# Altium PCB FMC_ADC_250M_16B_4ch.PcbDoc (part 7 of 8) (continued)
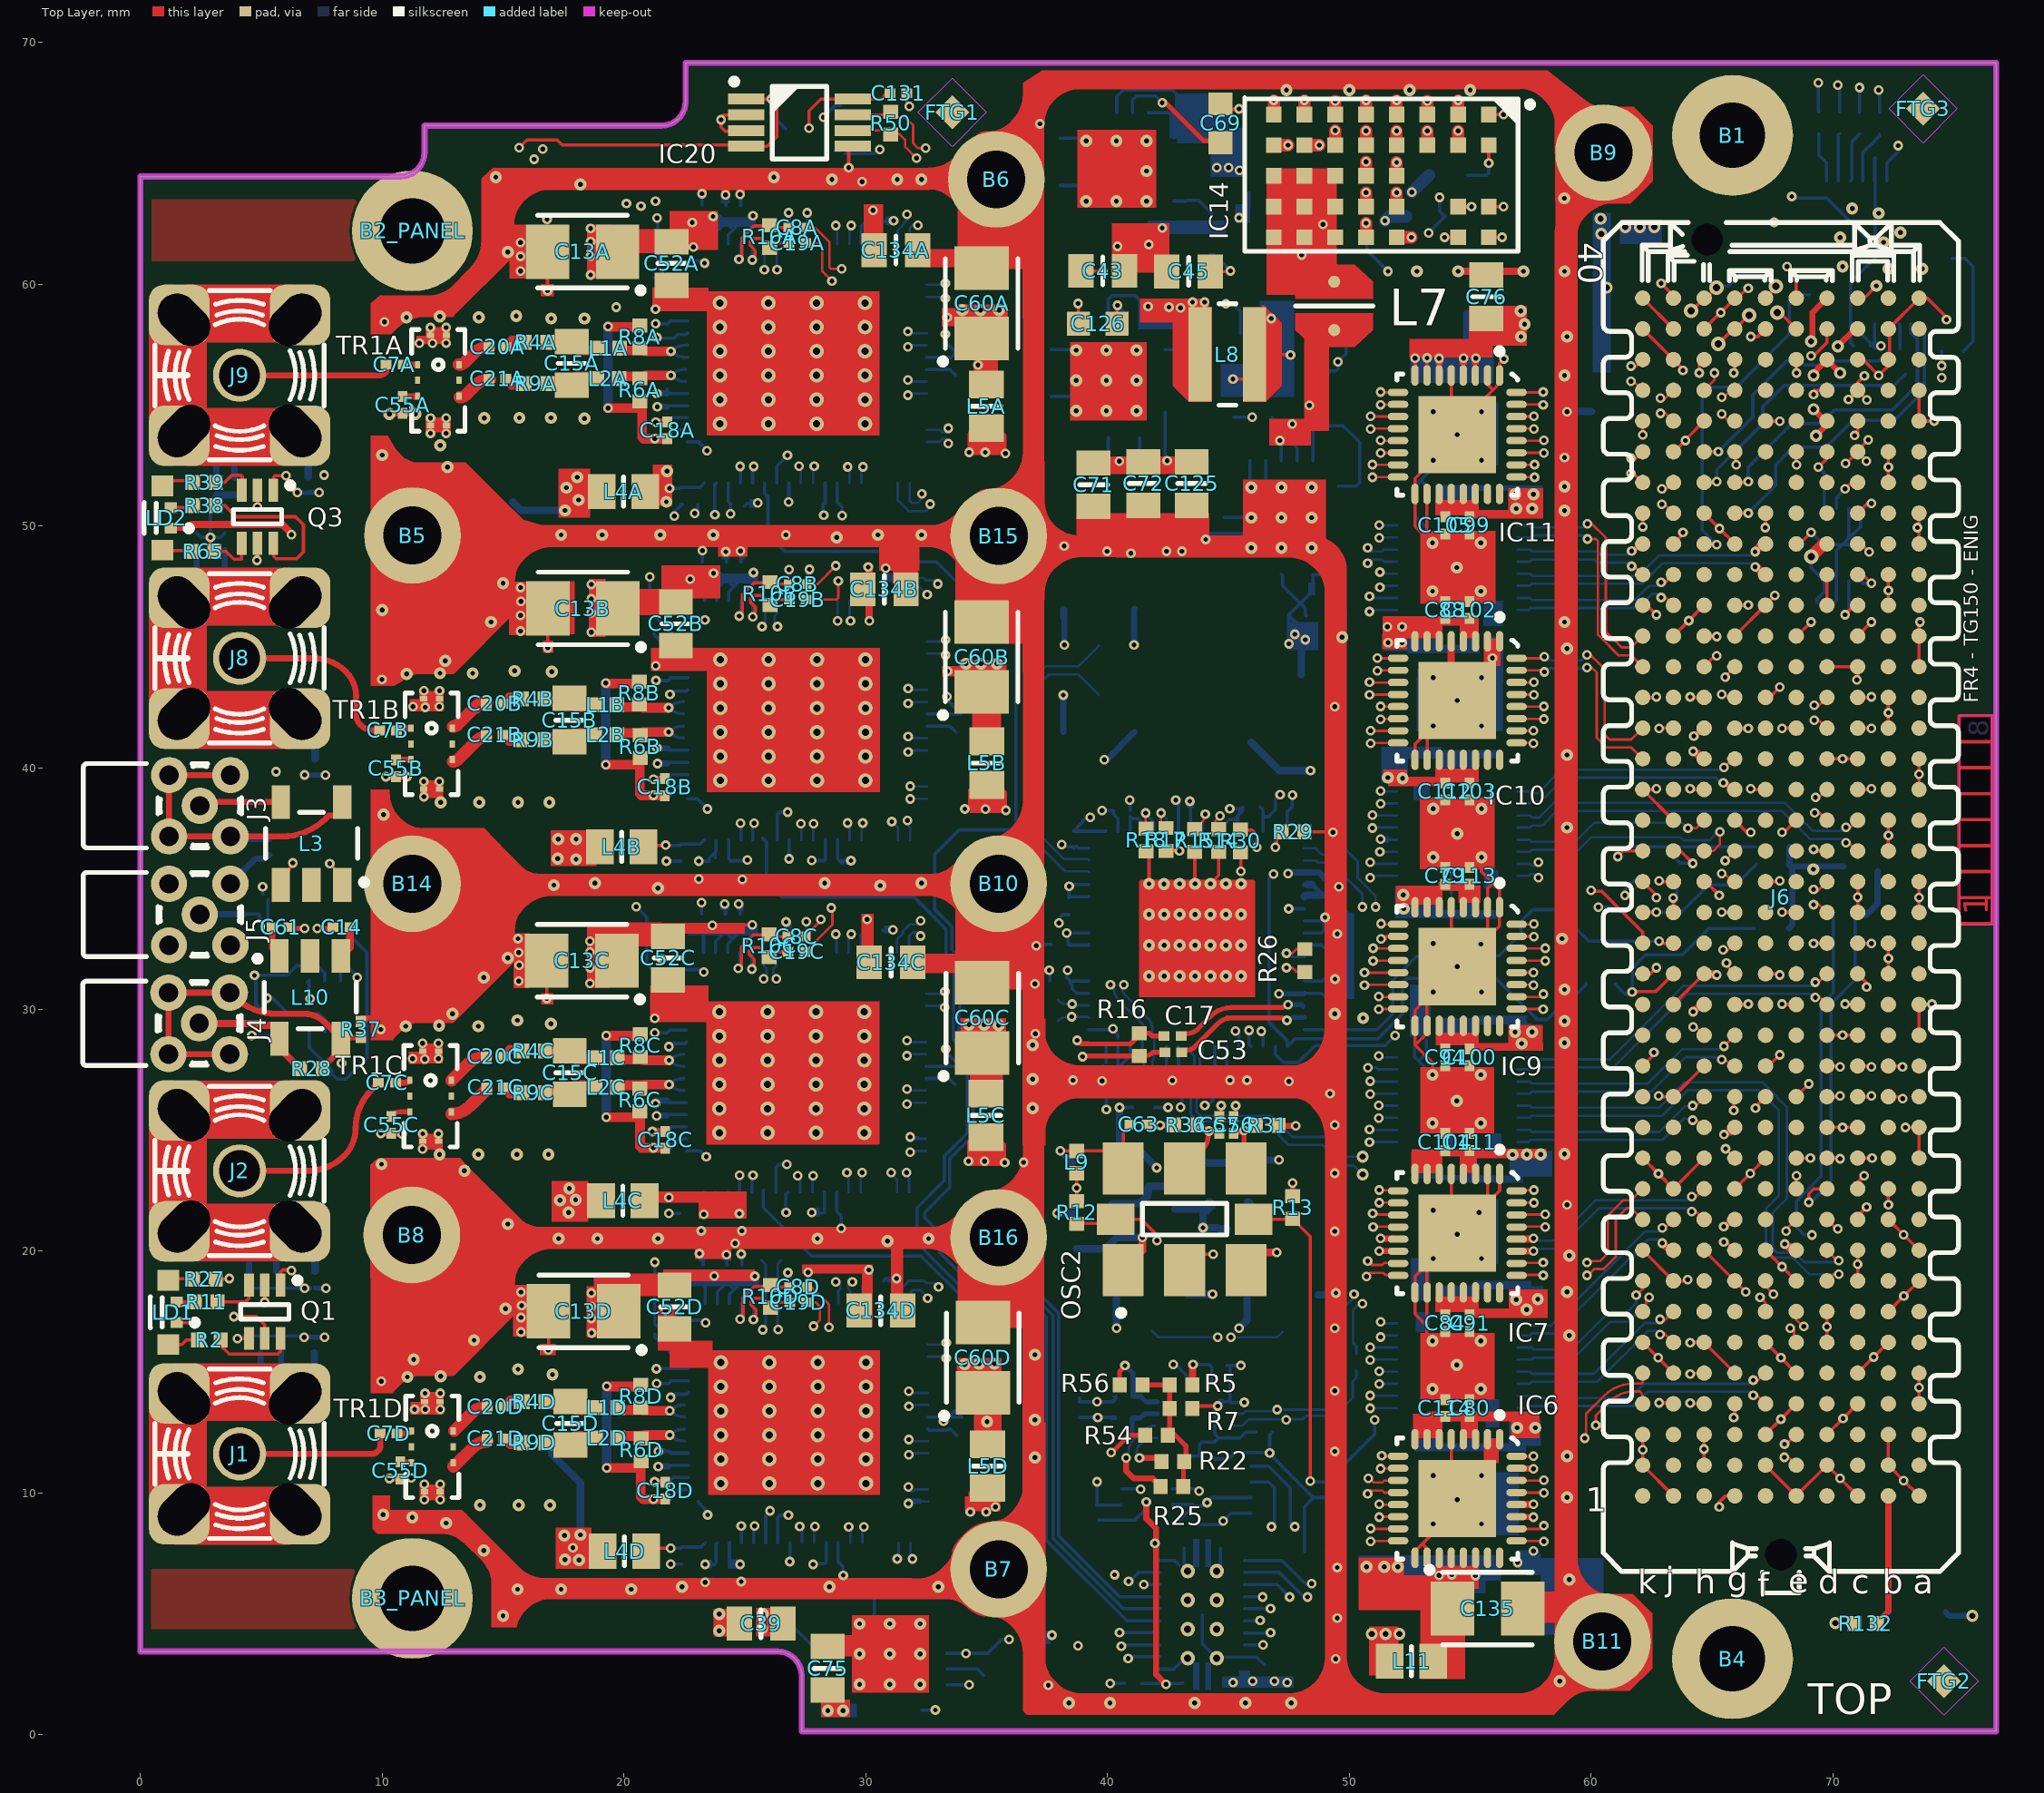
[diagram p0: Top Layer view]
## Other copper (continued)
  rectangle net P3V3_BUF: 53.685,34.89 54.828,35.271
  rectangle net P3V3_BUF: 53.583,28.515 55.361,29.048
  rectangle net P3V3_BUF: 54.802,28.286 58.028,28.616
  rectangle net P3V3_BUF: 56.58,28.591 58.003,29.353
  rectangle net P3V3_BUF: 52.593,23.917 55.082,24.222
  rectangle net P3V3_BUF: 55.133,23.841 58.155,24.248
  rectangle net P3V3_BUF: 55.082,17.237 58.206,17.644
  rectangle net P3V3_BUF: 56.606,17.542 58.206,18.431
  rectangle net P3V3_BUF: 53.583,6.29 55.361,7.001
  rectangle net P3V3_BUF: 52.212,6.036 55.361,6.315
  rectangle net P3V3_BUF: 50.383,5.15 53.606,6.595
  rectangle net P3V3_BUF: 50.383,6.341 52.262,7.331
  rectangle net GND: 35.806,45.125 36.606,47.025
  rectangle net GND: 33.706,46.837 36.352,48.725
  rectangle net GND: 33.706,30.825 36.706,34.525
  rectangle net GND: 33.806,16.825 36.706,19.725
  rectangle net GND: 33.806,60.625 36.554,63.425
  rectangle net P1V8_OVDD: 39.323,52.135 43.514,52.872
  rectangle net NetC73_1: 48.136,53.913 49.178,57.85
  rectangle net NetC73_1: 46.689,53.329 48.417,54.421
  rectangle net GND: 38.725,49.4 44.211,50.525
  rectangle net VADJ_FILT: 41.355,58.409 44.199,59.4
  rectangle net P1V8_AVDD2: 40.186,60.467 42.574,62.524
  rectangle net P3V7: 46.587,59.552 49.483,64.785
  rectangle net P1V8AC: 18.475,30.875 19.375,33.575
  rectangle net GND: 15.25,45.475 15.975,47.7
  rectangle net P1V8AB: 18.55,45.4 19.25,47.8
  rectangle net P1V8DA: 33.15,58.25 33.725,59
  rectangle net P1V8AA: 18.475,60.225 19.45,62.45
  rectangle net GND: 16.575,30.2 17.089,30.675
  rectangle net GND: 16.556,59.5 17.1,60
  rectangle net GND: 16.65,44.75 17.089,45.25
  rectangle net GND: 16.525,15.7 17.175,16.175
  rectangle net P1V8AA: 21.89,61.4 23.9,63.025
  rectangle net P1V8AA: 20.25,61.275 22,62.275
  rectangle net GND: 21.179,58.875 23.5,59.85
  rectangle net P1V8AB: 21.55,47 24,48.375
  rectangle net P1V8AB: 19.75,46.3 22.068,47.387
  rectangle net GND: 21.125,44 23.65,44.95
  rectangle net P1V8DA: 29.925,61.4 30.725,63.3
  rectangle net GND: 32.35,60.7 33.95,61.45
  rectangle net GND: 56.875,4.625 58.6,5.925
  rectangle net P1V8DC: 29.825,32.225 30.325,33.95
  rectangle net GND: 32.1,31.5 33.925,32.31
  rectangle net GND: 30.55,48.15 32.225,49.15
  rectangle net GND: 31.125,47.617 32.175,49.275
  rectangle net P1V8AC: 18.525,32.6 21.575,33.6
  rectangle net P1V8AC: 21.375,33.127 25,33.577
  rectangle net P1V8AC: 21.225,22 25.05,22.475
  rectangle net P1V8AC: 23.1,21.35 25.075,22.475
  rectangle net P1V8AD: 21.625,18.761 25.425,19.25
  rectangle net P1V8AD: 18.75,18.15 21.675,19.075
  rectangle net GND: 21.4,15.9 22.175,17.625
  rectangle net P1V8DD: 29.85,16.875 30.3,19.45
  rectangle net GND: 31.05,17.75 31.55,20.15
  rectangle net P1V8DD: 27.375,19.075 30.1,19.45
  rectangle net GND: 21.075,29.475 23.5,31
  rectangle net GND: 21.89,15.175 23.675,16.3
  region net ADC_BUF_DATA2.D8_P: 65.485,39.422 65.662,39.422 65.815,39.27 65.815,39.245 65.739,39.168 65.612,39.295 65.485,39.295
  region net ADC_BUF_DATA1.D2_N: 65.51,21.185 65.535,21.185 65.688,21.338 65.815,21.211 65.815,21.178 65.618,20.982
  region net ADC_BUF_DATA3.D6_N: 61.7,49.1 61.751,49.1 61.929,49.278 62.03,49.176 62.03,49.1 61.986,49.1 61.827,48.941
  region net VCXO_OUT_N: 43.92,25.198 44.022,25.198 44.174,25.046 44.174,24.9 43.92,24.9
  region net ADC_BUF_DATA3.D4_P: 66.882,48.465 66.907,48.465 67.237,48.135 67.034,47.931 66.983,47.931 66.729,48.185
  region net ADC_BUF_DATA3.D4_N: 66.653,49.074 66.678,49.074 67.009,49.405 67.263,49.151 67.263,49.125 67.186,49.125 66.907,48.846
  region net ADC_BUF_DATA2.D10_N: 64.24,41.404 64.469,41.632 64.621,41.48 64.621,41.454 64.57,41.454 64.392,41.277
  region net ADC_BUF_DATA2.D10_P: 64.24,40.718 64.494,40.718 64.596,40.616 64.418,40.438 64.418,40.413 64.342,40.413 64.189,40.565
  region net ADC_BUF_DATA1.D12_N: 64.189,30.075 64.215,30.075 64.443,30.304 64.621,30.126 64.621,30.101 64.367,29.847
  region net ADC_BUF_DATA1.D4_N: 65.931,25.125 65.716,25.125 65.51,24.919 65.51,24.903 65.621,24.792 65.815,24.792 65.942,24.919
  region net ADC_BUF_DATA0.D6_P: 67.997,20.322 68.329,20.322 68.38,20.271 68.38,20.068 68.355,20.068 68.279,19.991 68.152,19.991 67.999,20.144
  region net ADC_BUF_DATA0.D12_P: 62.995,20.347 63.109,20.347 63.262,20.195 63.249,20.182 63.249,20.042 63.046,20.042 62.919,20.169
  region net GND: 11.883,52.621 13.461,52.621 14.981,51.1 15.845,50.25 16.606,50.025 32.596,50.025 32.6,49.121 17.042,49.121 ccw(c17.042,47.514) 15.906,48.65 15.87,48.614 ccw(c16.809,47.675) 15.481,47.675 15.481,46.463 ccw(c15.545,46.463) 15.5,46.419 12.981,43.9 cw(c12.921,43.96) 12.921,43.875 11.556,43.875 ccw(c11.556,42.851) 10.831,43.575 10.484,43.396 10.405,43.396 9.977,43.396 9.538,43.396 9.538,53.725 9.975,53.725 10.225,53.725 10.567,53.155 10.9,52.8 11.325,52.625
  region net GND: 10.325,38.7 10.411,38.419 10.55,38.15 10.774,37.891 11.044,37.675 11.35,37.525 11.75,37.489 13.85,37.5 14.234,37.497 15.125,36.55 15.798,35.874 15.975,35.746 16.26,35.634 16.606,35.6 32.596,35.6 32.6,35.596 32.6,34.696 17.042,34.696 ccw(c17.042,33.089) 15.906,34.225 15.87,34.189 ccw(c16.809,33.25) 15.481,33.25 15.481,32.038 ccw(c15.545,32.038) 15.5,31.994 12.981,29.475 cw(c12.921,29.535) 12.921,29.45 11.556,29.45 ccw(c11.556,28.426) 10.831,29.15 10.484,28.802 ccw(c10.55,28.736) 10.456,28.736 10.406,28.736 10.399,28.743 9.538,28.743 9.531,28.75 9.531,39.1 10.302,39.099
  region net GND: 9.619,9.9 10.325,9.9 10.325,9.3 13.308,9.3 13.512,9.1 13.511,9.096 15.669,6.937 ccw(c16.785,8.054) 16.785,6.475 31.906,6.475 31.906,5.625 17.007,5.625 ccw(c17.007,4.174) 15.981,5.2 15.824,5.043 ccw(c15.867,5) 15.806,5 15.631,4.725 15.556,4.45 14.531,4.45 14.531,6.225 ccw(c13.143,6.225) 14.125,7.207 13.406,7.925 13.106,8.15 12.931,8.225 12.756,8.275 12.481,8.325 9.806,8.325 9.606,8.525
  region net GND: 9.531,57.925 9.531,59.2 9.906,59.525 12.506,59.525 14.156,61.1 14.156,64.4 14.581,64.8 32.61,64.8 32.606,63.875 17.056,63.9 16.968,63.9 ccw(c16.968,62.364) 15.881,63.45 ccw(c16.907,62.424) 15.456,62.424 15.456,61.175 12.974,58.693 ccw(c13.017,58.65) 12.956,58.65 11.814,58.65 ccw(c11.814,56.943) 10.606,58.15 10.395,57.938 10.395,57.925
  region net GND: 32.598,50.023 32.65,50.023 ccw(c32.65,51.481) 33.681,50.45 34.577,51.345 cw(c35,50.922) 35,51.521 35.065,51.521 ccw(c35.065,52.816) 35.981,51.9 36.064,51.983 ccw(c34.998,53.05) 36.506,53.05 36.506,56.05 37.381,56.05 37.378,41.621 36.514,41.621 36.5,46.245 ccw(c35.327,46.245) 36.156,47.075 36.003,47.229 ccw(c35.106,46.333) 35.106,47.6 cw(c35.106,48.619) 34.386,47.899 33.562,48.722 ccw(c32.6,47.76) 32.6,49.121
  region net GND: 32.598,35.598 32.65,35.598 ccw(c32.65,37.056) 33.681,36.025 34.577,36.92 cw(c35,36.497) 35,37.096 35.065,37.096 ccw(c35.065,38.391) 35.981,37.475 36.064,37.558 ccw(c34.998,38.625) 36.506,38.625 36.506,41.625 37.381,41.625 37.378,27.016 36.514,27.016 36.5,31.821 ccw(c35.327,31.821) 36.156,32.65 36.003,32.804 ccw(c35.106,31.908) 35.106,33.175 cw(c35.106,34.194) 34.386,33.474 33.562,34.297 ccw(c32.6,33.335) 32.6,34.696
  region net GND: 32.65,20.998 ccw(c32.65,22.456) 33.681,21.425 34.577,22.32 cw(c35,21.897) 35,22.496 35.065,22.496 ccw(c35.065,23.791) 35.981,22.875 36.064,22.958 ccw(c34.998,24.025) 36.506,24.025 36.506,27.025 37.381,27.025 37.381,12.9 36.5,12.9 36.5,17.221 ccw(c35.327,17.221) 36.156,18.05 36.003,18.204 ccw(c35.106,17.308) 35.106,18.575 cw(c35.106,19.594) 34.386,18.874 33.562,19.697 ccw(c32.6,18.735) 32.652,20.095
  region net GND: 32.598,64.818 32.65,64.818 ccw(c32.65,66.277) 33.681,65.245 34.577,66.14 cw(c35,65.717) 35,66.316 35.065,66.316 ccw(c35.065,67.611) 35.981,66.695 36.064,66.778 ccw(c34.998,67.845) 36.506,67.845 36.525,67.853 37.375,67.853 37.378,56.048 36.514,56.048 36.5,61.041 ccw(c35.327,61.041) 36.156,61.87 36.003,62.024 ccw(c35.106,61.128) 35.106,62.395 cw(c35.106,63.414) 34.386,62.694 33.562,63.517 ccw(c32.6,62.555) 32.6,63.916
  region net GND: 36.5,12.9 36.5,10.269 cw(c35.075,10.269) 36.083,9.262 35.956,9.135 cw(c35.219,9.872) 35.219,8.83 ccw(c35.219,7.358) 34.178,8.399 33.847,8.068 33.67,7.814 33.593,7.661 33.593,7.654 cw(c32.813,7.654) 33.365,7.103 33.125,6.863 cw(c32.171,7.817) 32.171,6.468 31.914,6.468 31.906,6.475 31.906,5.625 33.283,5.625 cw(c33.283,4.252) 34.254,5.223 ccw(c35.051,6.02) 35.051,4.893 35.143,4.893 cw(c35.143,3.666) 36.01,4.534 36.032,4.512 cw(c34.867,3.347) 36.514,3.347 36.514,0.981 36.667,0.829 47.487,0.829 47.487,1.718 38.918,1.718 cw(c38.918,3.105) 37.937,2.124 37.788,2.273 cw(c38.655,3.14) 37.429,3.14 37.429,12.919 36.546,12.919 ccw(c36.546,12.854)
  region net GND: 36.489,29.607 37.429,29.607 37.429,29.018 ccw(c38.643,29.018) 37.784,28.159 ccw(c38.95,29.324) 38.95,27.677 46.878,27.677 46.878,26.33 38.831,26.33 ccw(c38.831,25.03) 37.911,25.949 37.806,25.844 ccw(c38.717,24.933) 37.429,24.933 37.429,24.375 36.489,24.375
  region net GND: 47.487,1.718 ccw(c47.487,3.251) 48.571,2.167 48.579,2.175 ccw(c47.537,3.217) 49.011,3.217 49.011,24.629 49.9,24.629 49.9,3.207 ccw(c51.288,3.207) 50.307,2.226 ccw(c51.533,3.452) 51.533,1.718 51.729,1.718 cw(c51.668,1.656) 51.754,1.656 51.754,0.829 47.487,0.829
  region net GND: 49.011,24.629 ccw(c47.049,24.629) 48.436,26.016 48.402,26.051 ccw(c47.727,25.376) 47.727,26.33 46.878,26.33 46.878,27.677 47.583,27.677 ccw(c47.583,28.977) 48.503,28.058 ccw(c47.338,29.223) 48.986,29.223 48.986,29.607 49.9,29.607 49.9,24.629
  region net GND: 40.375,48.708 38.975,48.708 ccw(c38.975,47.06) 37.81,48.225 ccw(c38.791,47.244) 37.403,47.244 37.403,46.93 36.997,46.93 36.997,52.67 37.403,52.67 37.403,51.01 ccw(c38.791,51.01) 37.81,50.029 ccw(c38.852,51.071) 38.852,49.597 40.375,49.597
  region net GND: 58.506,61.991 58.511,62.17 58.536,62.449 58.511,66.361 58.511,66.599 ccw(c57.123,66.599) 58.104,67.58 58.017,67.667 ccw(c57.063,66.714) 57.063,68.063 38.878,68.063 ccw(c38.878,66.588) 37.835,67.631 37.809,67.605 ccw(c38.85,66.564) 37.378,66.564 36.565,66.564 36.565,67.747 ccw(c36.478,67.747) 36.54,67.809 cw(c36.601,67.87) 36.514,67.87 36.514,68.317 37.306,68.825 58.206,68.825 59.694,67.667 ccw(c60.517,68.491) 60.517,67.326 61.787,67.326 ccw(c61.849,67.326) 61.805,67.283 62.549,66.539 62.549,64.278 cw(c62.488,64.278) 62.531,64.235 61.635,63.338 60.961,63.338 ccw(c60.961,61.777) 59.857,62.881 59.749,62.772 ccw(c60.529,61.992) 59.425,61.992
  region net GND: 11.941,59.525 ccw(c11.941,60.891) 12.906,59.925 13.611,60.63 ccw(c12.416,61.825) 14.106,61.825 14.106,64.279 cw(c14.277,64.279) 14.156,64.4 14.346,64.4 ccw(c14.346,64.485) 14.406,64.425 cw(c14.165,64.184) 14.506,64.184 14.506,61.508 cw(c13.824,61.508) 14.306,61.025 13.001,59.72 cw(c11.806,60.915) 11.806,59.225 11.006,59.225 11.006,59.45
  region net GND: 58.506,61.991 58.5,61.984 58.5,3.252 cw(c56.939,3.252) 58.042,2.148 cw(c57.01,3.18) 57.01,1.721 51.736,1.721 cw(c51.685,1.674) 51.754,1.674 51.754,0.829 58.441,0.829 58.444,0.825 59.007,1.388 cw(c60.063,0.332) 60.063,1.825 61.606,1.825 62.531,2.75 62.531,5.025 61.736,5.82 60.771,5.82 cw(c60.771,6.985) 59.947,6.161 59.904,6.205 cw(c61.028,7.33) 59.438,7.33 59.438,62.133 59.435,62.136 58.513,62.136 58.506,62.143
  region net GND: 40.364,48.7 47.443,48.7 cw(c47.443,47.074) 48.594,48.224 cw(c47.612,47.243) 49,47.243 49,29.606 49.001,29.607 49.9,29.607 49.9,48.155 ccw(c48.474,48.155) 49.483,49.164 ccw(c48.44,48.121) 48.44,49.595 40.377,49.595 40.375,49.597 40.375,48.708
  region net GND: 13.225,23.85 13.461,23.596 15.668,21.389 ccw(c16.606,22.328) 16.606,21 33.125,21 33.129,20.096 17.042,20.096 ccw(c17.042,18.489) 15.906,19.625 15.87,19.589 ccw(c16.809,18.65) 15.481,18.65 15.481,17.438 ccw(c15.545,17.438) 15.5,17.394 12.981,14.875 cw(c12.921,14.935) 12.921,14.85 11.556,14.85 ccw(c11.556,13.826) 10.831,14.55 10.484,14.202 ccw(c10.55,14.136) 10.456,14.136 10.406,14.136 9.538,14.143 9.525,23.565 9.842,23.85
  text "1" at 76.425,33.9 h1.02 r90
L5:
  text "5" at 76.45,38.075 h1.02 r90
L3:
  rectangle net CLKDIVRST_P: 25.835,45.722 25.962,45.95
  pour cut-out: 4.101,57.229 cw(c4.101,56.189) 4.836,56.924 4.839,56.922 cw(c4.232,56.315) 5.09,56.315 5.09,56.141 cw(c4.223,56.141) 4.836,55.527 cw(c4.101,56.263) 4.101,55.223 3.991,55.223 cw(c3.991,56.003) 3.439,55.451 3.343,55.548 cw(c3.906,56.112) 3.109,56.112 3.109,56.214 cw(c4.15,56.214) 3.414,56.95 cw(c4.089,56.275) 4.089,57.229
  pour cut-out: 4.089,45.542 cw(c4.089,44.502) 4.825,45.238 4.827,45.235 cw(c4.22,44.628) 5.079,44.628 5.079,44.454 cw(c4.211,44.454) 4.825,43.841 cw(c4.089,44.576) 4.089,43.536 3.979,43.536 cw(c3.979,44.316) 3.428,43.764 3.331,43.861 cw(c3.895,44.425) 3.097,44.425 3.097,44.527 cw(c4.138,44.527) 3.402,45.263 cw(c4.077,44.588) 4.077,45.542
  pour cut-out: 4.089,24.342 cw(c4.089,23.302) 4.825,24.038 4.827,24.035 cw(c4.22,23.428) 5.079,23.428 5.079,23.254 cw(c4.211,23.254) 4.825,22.641 cw(c4.089,23.376) 4.089,22.336 3.979,22.336 cw(c3.979,23.116) 3.428,22.564 3.331,22.661 cw(c3.895,23.225) 3.097,23.225 3.097,23.327 cw(c4.138,23.327) 3.402,24.063 cw(c4.077,23.388) 4.077,24.342
  pour cut-out: 4.089,12.642 cw(c4.089,11.602) 4.825,12.338 4.827,12.335 cw(c4.22,11.728) 5.079,11.728 5.079,11.554 cw(c4.211,11.554) 4.825,10.941 cw(c4.089,11.676) 4.089,10.636 3.979,10.636 cw(c3.979,11.416) 3.428,10.864 3.331,10.961 cw(c3.895,11.525) 3.097,11.525 3.097,11.627 cw(c4.138,11.627) 3.402,12.363 cw(c4.077,11.688) 4.077,12.642
  text "3" at 76.45,35.9 h1.02 r90
GND(SMAGND):
  pour cut-out: 76.675,33.125 74.675,33.125 74.675,42.75 76.675,42.75
  text "2" at 76.425,34.825 h1.02 r90
Bottom Layer:
  rectangle net P1V8DC: 27.766,21.439 28.096,21.795
  rectangle net P1V8AD: 23.346,6.885 23.651,7.241
  rectangle net GND: 30.814,62.435 31.093,62.79
  rectangle net GA0: 70.184,51.106 70.285,51.259
  rectangle net P3V3D: 71.682,57.279 71.987,57.609
  rectangle net P3V3CLK: 49.051,32.463 49.94,32.768
  rectangle net P3V3CLK: 49.127,30.431 50.194,30.837
  rectangle net P3V3CLK: 49.889,30.431 50.194,34.012
  rectangle net P3V3CLK: 48.314,47.128 48.594,47.652
  rectangle net GND: 37.316,3.761 37.646,4.32
  rectangle net GND: 30.89,47.677 31.195,48.033
  rectangle net GND: 24.692,34.063 24.946,34.342
  rectangle net GND: 23.981,34.114 24.362,34.368
  rectangle net P1V8AC: 24.413,21.414 24.692,21.719
  rectangle net GND: 25.2,50.751 25.53,51.106
  rectangle net GND: 30.763,33.149 31.093,33.479
  rectangle net ADC_DATA0.D6_P: 31.88,9.552 32.287,9.781
  rectangle net GND: 23.346,6.15 23.702,6.504
  rectangle net P1V8AD: 24.311,6.86 24.794,7.266
  rectangle net GND: 23.092,19.56 23.295,19.89
  rectangle net GND: 24.057,19.61 24.438,19.89
  rectangle net GND: 26.673,18.848 26.953,19.102
  rectangle net ADC_DATA1.D6_N: 31.866,24.589 32.211,24.767
  rectangle net GND: 26.623,33.301 26.953,33.551
  rectangle net GND: 29.163,35.993 29.417,36.324
  rectangle net GND: 24.768,48.617 25.002,48.973
  rectangle net GND: 24.032,48.617 24.362,48.947
  rectangle net P1V8AA: 22.863,62.359 25.45,62.765
  rectangle net GND: 24.006,63.349 24.387,63.679
  rectangle net ADC_DATA2.D6_N: 51.261,36.882 51.642,37.162
  rectangle net P3V3CLK: 43.26,38.33 43.59,38.635
  rectangle net P3V3CLK: 45.393,38.076 45.526,38.305
  rectangle net P3V3CLK: 45.19,37.797 45.393,37.873
  rectangle net P3V3_BUF: 54.105,6.326 54.461,6.428
  rectangle net GND: 57.906,4.15 60.525,7.325
  rectangle net GND: 57.506,4.45 58.206,6.125
  rectangle net GND: 55.596,43.543 56.383,45.448
  rectangle net GND: 55.545,45.855 56.358,46.896
  rectangle net GND: 52.802,43.518 55.723,44.102
  rectangle net GND: 54.097,45.855 54.351,46.871
  rectangle net P3V3_BUF: 52.421,44.737 55.393,45.093
  rectangle net P3V3_BUF: 54.58,44.788 55.367,45.931
  rectangle net P3V3_BUF: 51.405,44.813 53.869,45.88
  rectangle net P3V3_BUF: 53.564,17.991 55.367,18.575
  rectangle net P3V3_BUF: 54.58,22.825 55.393,23.65
  rectangle net P3V3_BUF: 52.573,22.995 53.869,23.528
  rectangle net P3V3_BUF: 53.775,22.944 54.809,23.147
  rectangle net P3V3_BUF: 53.564,51.062 55.367,51.697
  rectangle net P3V3_BUF: 55.367,51.443 55.875,51.697
  rectangle net P3V3_BUF: 53.589,39.987 55.367,40.597
  rectangle net P3V3_BUF: 52.573,33.967 53.869,34.679
  rectangle net P3V3_BUF: 54.58,33.967 55.317,34.679
  rectangle net P3V3_BUF: 53.564,28.964 55.367,29.649
  rectangle net P3V3_BUF: 53.691,6.383 56.275,7.45
  rectangle net P3V3_BUF: 52.523,55.913 55.977,57.208
  rectangle net P1V8_AVDD1: 28.132,0.727 29.631,1.286
  rectangle net P1V8_AVDD1: 28.132,0.981 29.123,2.073
  rectangle net P1V8_AVDD1: 25.465,4.08 26.1,5.248
  rectangle net GND: 23.713,4.08 24.322,5.223
  rectangle net VADJ: 44.744,1.946 47.706,2.429
  rectangle net VADJ: 45.455,2.327 45.912,2.658
  rectangle net GND: 52.923,52.492 56.174,55.109
  rectangle net P3V3_BUF: 56.047,51.451 58.003,51.68
  rectangle net P3V3_BUF: 56.58,50.46 58.028,51.553
  rectangle net GND: 52.796,41.494 56.352,43.704
  rectangle net GND: 52.669,38.649 53.329,39.462
  rectangle net GND: 55.564,35.017 56.174,35.779
  rectangle net P3V3_BUF: 54.091,33.747 56.149,34.103
  rectangle net P3V3_BUF: 51.896,33.773 54.726,34.128
  rectangle net GND: 53.202,32.655 56.072,33.265
  rectangle net GND: 53.278,30.42 56.022,30.953
  rectangle net GND: 52.506,28.875 53.38,31.025
  rectangle net P3V3_BUF: 55.158,29.378 57.35,29.759
  rectangle net P3V3_BUF: 56.606,28.312 57.52,29.429
  rectangle net GND: 54.066,24.121 54.345,24.908
  rectangle net GND: 55.666,24.095 55.844,24.832
  rectangle net GND: 55.691,24.146 56.301,24.883
  rectangle net P3V3_BUF: 55.158,22.825 57.19,23.13
  rectangle net P3V3_BUF: 56.631,23.079 58.406,24.171
  rectangle net GND: 52.948,19.472 56.174,22.165
  rectangle net P3V3_BUF: 55.133,18.431 57.546,18.787
  rectangle net P3V3_BUF: 56.682,17.313 58.028,18.558
  rectangle net GND: 52.745,16.653 53.329,17.491
  rectangle net GND: 52.55,17.95 53.355,19.725
  rectangle net P3V3_BUF: 52.694,11.725 57.317,12.056
  rectangle net P3V3_BUF: 52.567,11.979 53.863,12.665
  rectangle net GND: 54.117,12.945 54.294,13.91
  rectangle net P3V3_BUF: 54.625,11.929 55.31,12.691
  rectangle net GND: 55.641,12.716 56.199,13.884
  rectangle net P3V3_BUF: 56.606,11.954 57.927,13.072
  rectangle net GND: 53.05,8.246 57.025,10.862
  rectangle net P3V3_BUF: 50.383,6.315 54.218,7.433
  rectangle net P3V3_BUF: 54.244,5.858 55.641,6.62
  rectangle net GND: 57.012,6.696 57.876,7.636
  rectangle net P3V3_BUF: 53.583,40.377 56.199,40.732
  rectangle net P3V3_BUF: 51.627,40.351 53.812,40.859
  rectangle net P3V3_BUF: 51.323,39.386 52.44,40.859
  rectangle net VADJ_FILT: 42.879,65.826 45.012,67.883
  rectangle net VADJ_FILT: 42.574,66.029 43.285,67.096
  rectangle net VADJ_FILT: 44.276,64.429 45.698,66.461
  rectangle net P1V8_AVDD2: 41.659,62.067 44.911,62.626
  rectangle net P1V8_OVDD: 39.323,52.161 44.225,52.872
  rectangle net VADJ_FILT: 43.006,57.215 44.174,58.612
  rectangle net VADJ_FILT: 41.278,58.13 44.199,59.349
  rectangle net P3V3_BUF: 51.896,34.103 52.593,35.093
  rectangle net P3V3CLK: 47.425,44.858 48.721,46.026
  rectangle net GND: 45.292,62.536 45.901,63.298
  rectangle net P3V3: 46.308,55.323 47.73,59.311
  rectangle net P3V3: 44.682,55.323 47.019,56.694
  rectangle net P3V3: 61.2,61.65 62.95,62.65
  rectangle net P3V3D: 60.075,56.35 60.825,62.95
  rectangle net P1V8AB: 22.675,47.617 25.575,48.025
  rectangle net P1V8AC: 22.65,33.062 25.55,33.471
  rectangle net P1V8AD: 22.706,18.548 25.606,18.957
  text "8." at 76.425,41.975 h0.8 r90
GND (Plane2) (plane layer: these items are gaps in the copper):
  lines w0.254: 45.952,69.013 45.952,60.022 57.865,60.022 57.89,59.996 57.89,64.518
  text "6" at 76.425,39.15 h1.02 r90
GND (plane layer: these items are gaps in the copper):
  lines w0.254: 45.977,68.988 45.977,60.047 46.003,60.022 57.839,60.022 57.915,60.098 57.915,64.467 57.89,64.492
  text "4" at 76.425,36.95 h1.02 r90
Power (plane layer: these items are gaps in the copper):
  lines w0.127: 16.5,35.17 16.5,23.701 16.92,23.281 16.92,23.23 ; 41.178,49.902 42.828,51.551 42.828,54.32 42.142,55.006 42.142,56.199 ; 44.439,55.285 44.439,53.953 46.485,51.907 ; 44.453,59.238 44.565,59.349 49.697,59.349 49.697,59.312 49.735,59.35
  lines w0.143: 75.225,34.625 76.6,34.625 ; 75.225,35.7 76.6,35.7 ; 75.225,36.775 76.6,36.775 ; 75.225,37.85 76.6,37.85 ; 75.225,38.925 76.6,38.925 ; 75.225,40 76.6,40 ; 75.225,41.075 75.225,42.15 76.6,42.15 76.6,41.075 ; 75.225,41.075 76.6,41.075 ; 75.225,41.075 75.225,33.55 76.6,33.55 76.6,41.075
  lines w0.152: 19,3.45 18.25,4.2 18.25,6.088 15.5,8.838 15.5,21.721 17,23.221 17.25,23.221 19.25,23.221 19.5,22.971 19.5,21.471 19,20.971 17.25,20.971 16.336,20.056 16.336,9.885 17.5,8.721 19,8.721 19.5,8.221 19.5,6.221 20.25,5.471 29.75,5.471 30.5,4.721 30.5,2.221 31,1.721 31,0.221 ; 21.606,65.076 21.606,66.55 ; 30.495,4.74 30.749,4.994 35.905,4.994 36.54,5.629 36.54,8.5 ; 33.604,11.585 33.604,9.019 34.163,8.461 36.55,8.461 39.116,11.026 ; 33.604,16.306 33.604,26.099 ; 33.604,30.806 33.604,40.668 ; 33.604,45.392 33.604,55.42 ; 36.808,59.235 37.015,59.235 38.3,60.521 42.2,60.521 42.153,60.474 42.153,56.175 ; 38.318,0.245 38.318,6.493 41.899,10.074 48.456,10.074 48.873,10.492 48.873,10.72 50.25,12.097 50.25,12.371 50.25,17.395 49.889,17.756 49.889,34.596 49.889,36.705 49.889,48.439 49.864,48.465 ; 39.105,11.04 39.156,11.09 39.156,19.93 38.14,20.946 38.14,31.156 37.708,31.588 37.708,38.283 39.131,39.706 39.131,47.829 41.204,49.902 44.693,49.902 46.065,49.902 48.34,47.627 48.34,47.322 48.492,47.169 48.492,38.722 48.394,38.624 48.394,23.079 48.394,14.534 48.365,14.505 48.365,14.302 48.365,11.279 48.111,11.025 46.333,11.025 45.038,12.321 39.156,12.321 ; 42.001,61.23 42.204,61.027 42.204,60.519 ; 42.991,64.227 44.49,65.726 46.344,65.726 46.852,65.218 46.852,63.171 45.906,62.225 45.906,60.691 44.439,59.223 44.439,54.855 ; 46.293,52.061 49.915,48.44 ; 46.852,65.192 49.037,65.192 49.635,64.594 49.635,59.374 ; 49.735,59.35 50.675,60.29 57.248,60.29 58.961,60.29 59.901,59.35 61.446,59.35 62.386,60.29 64.099,60.29 67.782,60.29 68.087,59.985 68.087,58.639 67.02,57.572 66.472,57.025 58.875,57.025 58.141,56.291 ; 50.205,6.493 50.51,6.188 54.752,6.188 ; 50.51,0.225 50.51,6.214 ; 50.549,6.188 50.205,6.533 50.205,7.15 50.397,7.342 51.743,7.342 52.581,8.18 52.581,8.587 ; 51.819,34.647 51.819,35.079 ; 52.186,56.607 51.196,55.617 51.196,39.346 51.794,38.748 51.794,35.917 51.794,35.663 51.794,34.038 52.581,33.25 52.581,8.488 ; 52.212,56.556 52.212,57.471 53.866,59.125 57.375,59.125 58.155,58.345 58.155,7.585 56.758,6.188 54.625,6.188 ; 60.925,62.95 60.925,61.75 62.385,60.29 61.721,59.625 ; 60.95,62.95 58.25,62.95 56.7,61.4 53.346,61.4 52.75,61.996 52.75,66.275 54.075,67.6 60,67.6 62.325,65.275 62.95,64.65 71.1,64.65 71.7,64.05 71.7,57.175 72.225,56.65 72.925,56.65 74.025,55.55 76.756,55.55 76.756,53.725 ; 60.975,62.95 68.125,62.95 70.2,60.875 70.2,58.425 70.675,57.95 70.675,56.1 69.975,55.4 69.975,52.3 70.3,51.975 76.781,51.975 ; 15.5,36.221 16.5,35.221 19,35.221 19.5,35.721 19.5,37.798 19.077,38.221 17.5,38.221 16.5,39.221 16.5,49.721 17,50.221 18.5,50.221 19,50.721 19,52.221 18.5,52.721 17.5,52.721 16.5,53.721 16.5,63.221 17.314,64.035 32.186,64.035 33.5,62.721 37,62.721 38.5,61.221 42,61.221 43,62.221 43,64.221 40.121,67.1 32.379,67.1 32,66.721 32,65.721 31.356,65.076 17.356,65.076 15.5,63.221 15.5,36.221 ; 17.569,30.67 18.089,30.15 20.472,30.15 20.722,29.9 20.722,23.9 20.222,23.4 19.957,23.135 19.957,21.165 20.472,20.65 25.394,20.65 26.191,21.447 26.191,33.181 25.472,33.9 18.222,33.9 17.569,33.247 17.569,30.67 ; 17.598,59.991 17.598,62.568 18.175,63.146 25.575,63.146 26.165,62.555 26.165,59.364 26.191,59.338 26.191,53.931 26.191,50.739 25.422,49.971 20.5,49.971 19.985,50.485 19.985,52.456 20.25,52.721 20.75,53.221 20.75,59.221 20.5,59.471 18.118,59.471 17.598,59.991 ; 17.612,45.237 18.132,44.717 20.514,44.717 20.764,44.467 20.764,38.467 20.264,37.967 19.999,37.702 19.999,35.731 20.514,35.217 25.436,35.217 26.228,36.008 26.228,47.753 25.514,48.467 18.264,48.467 17.612,47.814 17.612,45.237 ; 17.639,16.17 18.159,15.65 20.542,15.65 20.792,15.4 20.792,9.4 20.292,8.9 20.027,8.635 20.027,6.665 20.542,6.15 25.464,6.15 26.242,6.928 26.242,18.7 25.542,19.4 18.292,19.4 17.639,18.747 17.639,16.17 ; 26.185,22.153 27.96,20.378 30.109,20.378 31.722,21.991 31.722,24.9 32.921,26.099 34.077,26.099 36.148,28.17 36.148,30.474 35.816,30.806 31.316,30.806 30.695,31.426 30.695,33.706 30.252,34.15 27.222,34.15 26.972,33.9 26.185,33.113 26.185,22.153 ; 26.214,51.474 26.214,62.434 27,63.221 27.25,63.471 30.28,63.471 30.724,63.027 30.724,60.747 31.344,60.126 35.844,60.126 36.771,59.199 36.771,56.492 35.7,55.42 32.95,55.42 31.75,54.221 31.75,51.312 30.137,49.699 27.988,49.699 26.214,51.474 ; 26.228,36.72 28.003,34.945 30.151,34.945 31.764,36.558 31.764,39.467 32.964,40.666 35.714,40.666 36.786,41.738 36.786,44.445 35.859,45.372 31.359,45.372 30.738,45.993 30.738,48.273 30.295,48.717 27.264,48.717 27.014,48.467 26.228,47.68 26.228,36.72 ; 26.255,7.653 28.03,5.878 30.179,5.878 31.792,7.491 31.792,10.4 32.991,11.599 35.741,11.599 36.813,12.671 36.813,15.378 35.886,16.306 31.386,16.306 30.765,16.926 30.765,19.206 30.322,19.65 27.292,19.65 27.042,19.4 26.255,18.613 26.255,7.653
  text "7" at 76.45,40.225 h1.02 r90
Multi-Layer:
  pour cut-out: 75.25,42.188 75.25,33.513 76.687,33.513 76.687,42.188

## Silkscreen, mask and mechanical layers (free items; w line width, h text height)
Top Overlay:
  text "FR4 - TG150 - ENIG" at 76.225,42.675 h1 r90
  text "TOP" at 68.975,0.85 h1.27
Bottom Overlay:
  drawing of 128 lines, arcs and shapes, not listed
  text "IN1" at 10.825,56 h0.76
  text "Laboratorio Nacional" at 72.5,52 h1 r90
  text "de Luz Sincrotron" at 73.15,52 h1 r90
  text "http://www.ohwr.org/projects/fmc-adc-250m-16b-4cha" at 19.016,50.272 h1.52 r90
  text "Open Hardware Repository" at 17.016,48.772 h1.65 r90
  text "CLKN" at 42.8,48 h0.76 r90
  text "PLL / STATUS" at 46.225,47.2 h0.75 r90
  text "sirius" at 68.968,47.049 h2.2 r90
  text "IN2" at 10.95,44.25 h0.76
  text "FMC ADC 250M 16B 4CH v2.3" at 61.075,42.925 h1.52 r90
  text "CLKP" at 42.825,42.275 h0.76 r90
  text "EXT CLK" at 13.725,38.225 h0.76
  text "TRIG IN" at 14.075,32.8 h0.76
  text "ID CODE" at 71.075,29.6 h3 r90
  text "REF_CLK" at 13.925,27.525 h0.76
  text "IN3" at 10.4,22.95 h0.76
  text "REFN" at 50.775,19.95 h0.75
  text "REFP" at 39.3,19.375 h0.75 r90
  text "IN4" at 10.725,11.4 h0.76
  text "BOT" at 72.225,3.675 h1.27
Top Paste:
  region: 53.875,9.275 55.075,9.275 55.075,8.275 53.875,8.275
  region: 52.975,10.375 53.725,10.375 53.725,9.1 52.975,9.1
  region: 55.25,10.362 56,10.362 56,9.087 55.25,9.087
  region: 53.875,11.25 55.075,11.25 55.075,10.2 53.875,10.2
  region: 53.875,22.225 55.075,22.225 55.075,21.175 53.875,21.175
  region: 55.25,21.337 56,21.337 56,20.062 55.25,20.062
  region: 52.975,21.35 53.725,21.35 53.725,20.075 52.975,20.075
  region: 53.875,20.25 55.075,20.25 55.075,19.25 53.875,19.25
  region: 53.875,31.325 55.075,31.325 55.075,30.325 53.875,30.325
  region: 52.975,32.35 53.725,32.35 53.725,31.15 52.975,31.15
  region: 55.25,32.35 56,32.35 56,31.137 55.25,31.137
  region: 53.875,33.25 55.075,33.25 55.075,32.25 53.875,32.25
  region: 53.875,44.25 55.075,44.25 55.075,43.25 53.875,43.25
  region: 55.25,43.35 56,43.35 56,42.137 55.25,42.137
  region: 52.975,43.35 53.725,43.35 53.725,42.15 52.975,42.15
  region: 53.875,42.325 55.075,42.325 55.075,41.325 53.875,41.325
  region: 53.871,53.321 55.071,53.321 55.071,52.321 53.871,52.321
  region: 52.971,54.346 53.721,54.346 53.721,53.146 52.971,53.146
  region: 55.246,54.346 55.996,54.346 55.996,53.133 55.246,53.133
  region: 53.871,55.246 55.071,55.246 55.071,54.246 53.871,54.246
Bottom Paste:
  region: 53.825,16.8 55.05,16.8 55.05,15.7 53.825,15.7
  region: 55.2,15.925 55.925,15.925 55.925,14.7 55.2,14.7
  region: 52.975,15.925 53.675,15.925 53.675,14.675 52.975,14.675
  region: 53.825,14.9 55.05,14.9 55.05,13.75 53.825,13.75
  region: 53.825,25.85 55.05,25.85 55.05,24.775 53.825,24.775
  region: 52.975,26.875 53.675,26.875 53.675,25.7 52.975,25.7
  region: 55.2,26.875 55.925,26.875 55.925,25.7 55.2,25.7
  region: 53.825,27.775 55.05,27.775 55.05,26.675 53.825,26.675
  region: 53.85,38.775 55.075,38.775 55.075,37.675 53.85,37.675
  region: 55.225,37.888 55.95,37.888 55.95,36.712 55.225,36.712
  region: 53,37.888 53.7,37.887 53.7,36.712 53,36.712
  region: 53.85,36.9 55.075,36.9 55.075,35.8 53.85,35.8
  region: 53.837,47.875 55.063,47.875 55.063,46.775 53.837,46.775
  region: 52.979,48.917 53.679,48.917 53.679,47.742 52.979,47.742
  region: 55.204,48.917 55.929,48.917 55.929,47.742 55.204,47.742
  region: 53.829,49.775 55.054,49.775 55.054,48.704 53.829,48.704
Top Solder:
  drawing of 29 lines, arcs and shapes, not listed